# KiCad board hypjolin-rounded.kicad_pcb
title: The Hypjolin Box; company: Triglav Modular; note: Circuit by Rob Hordijk & Ian Fritz
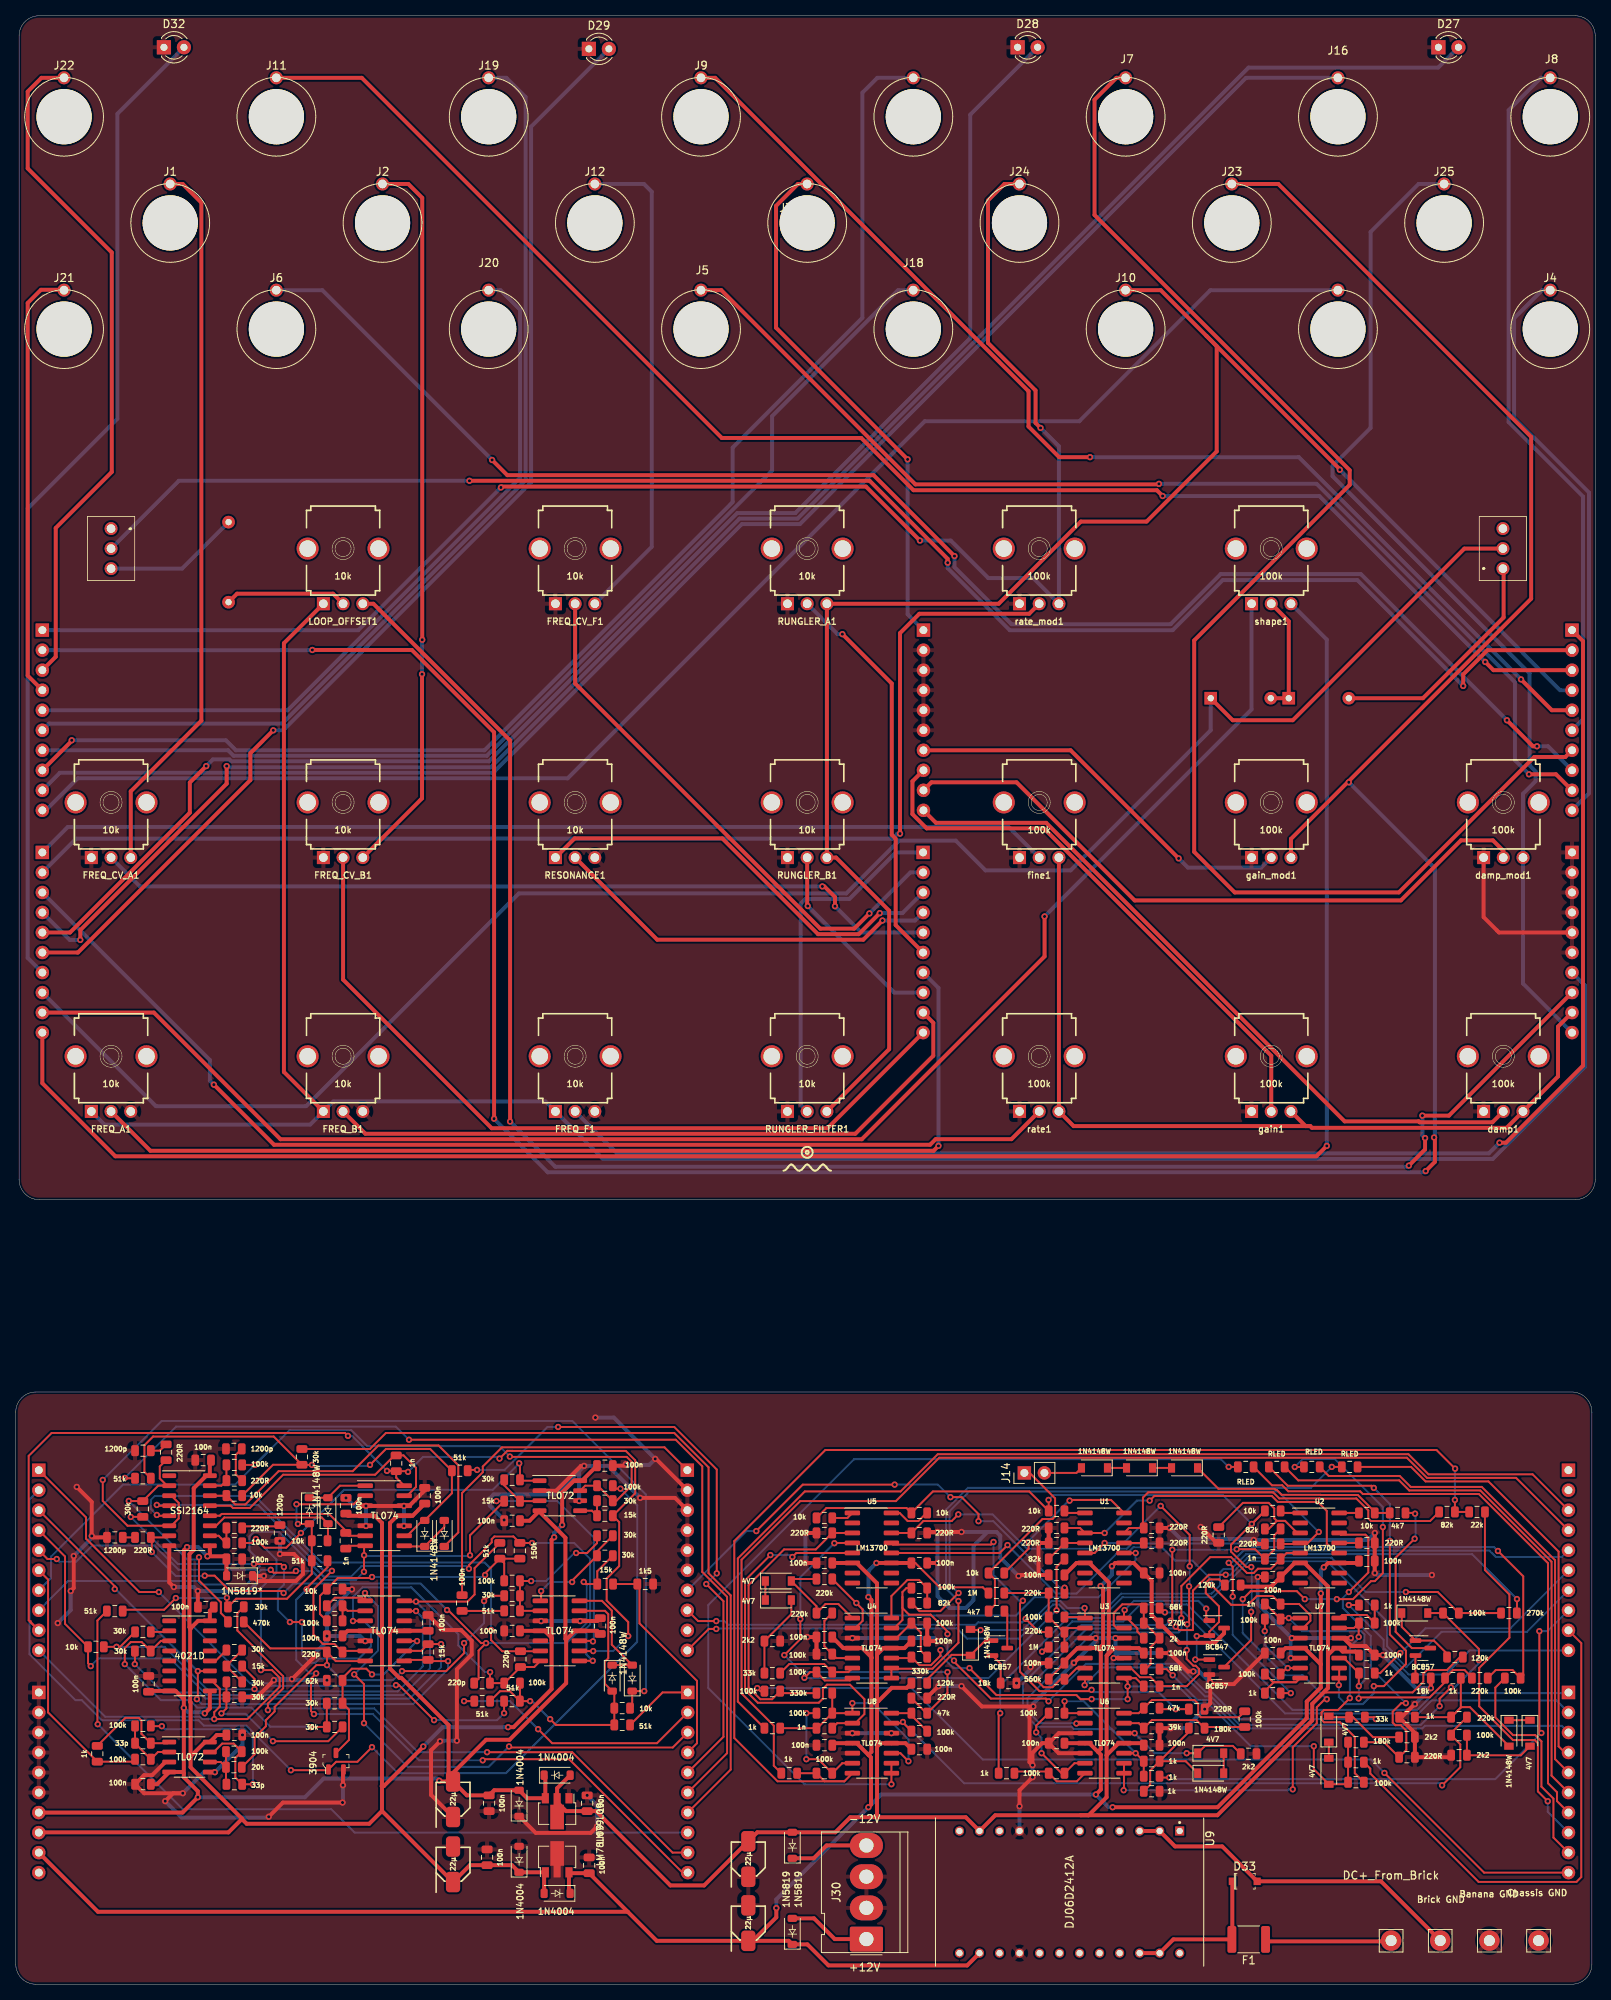
[diagram p0: board, top side]
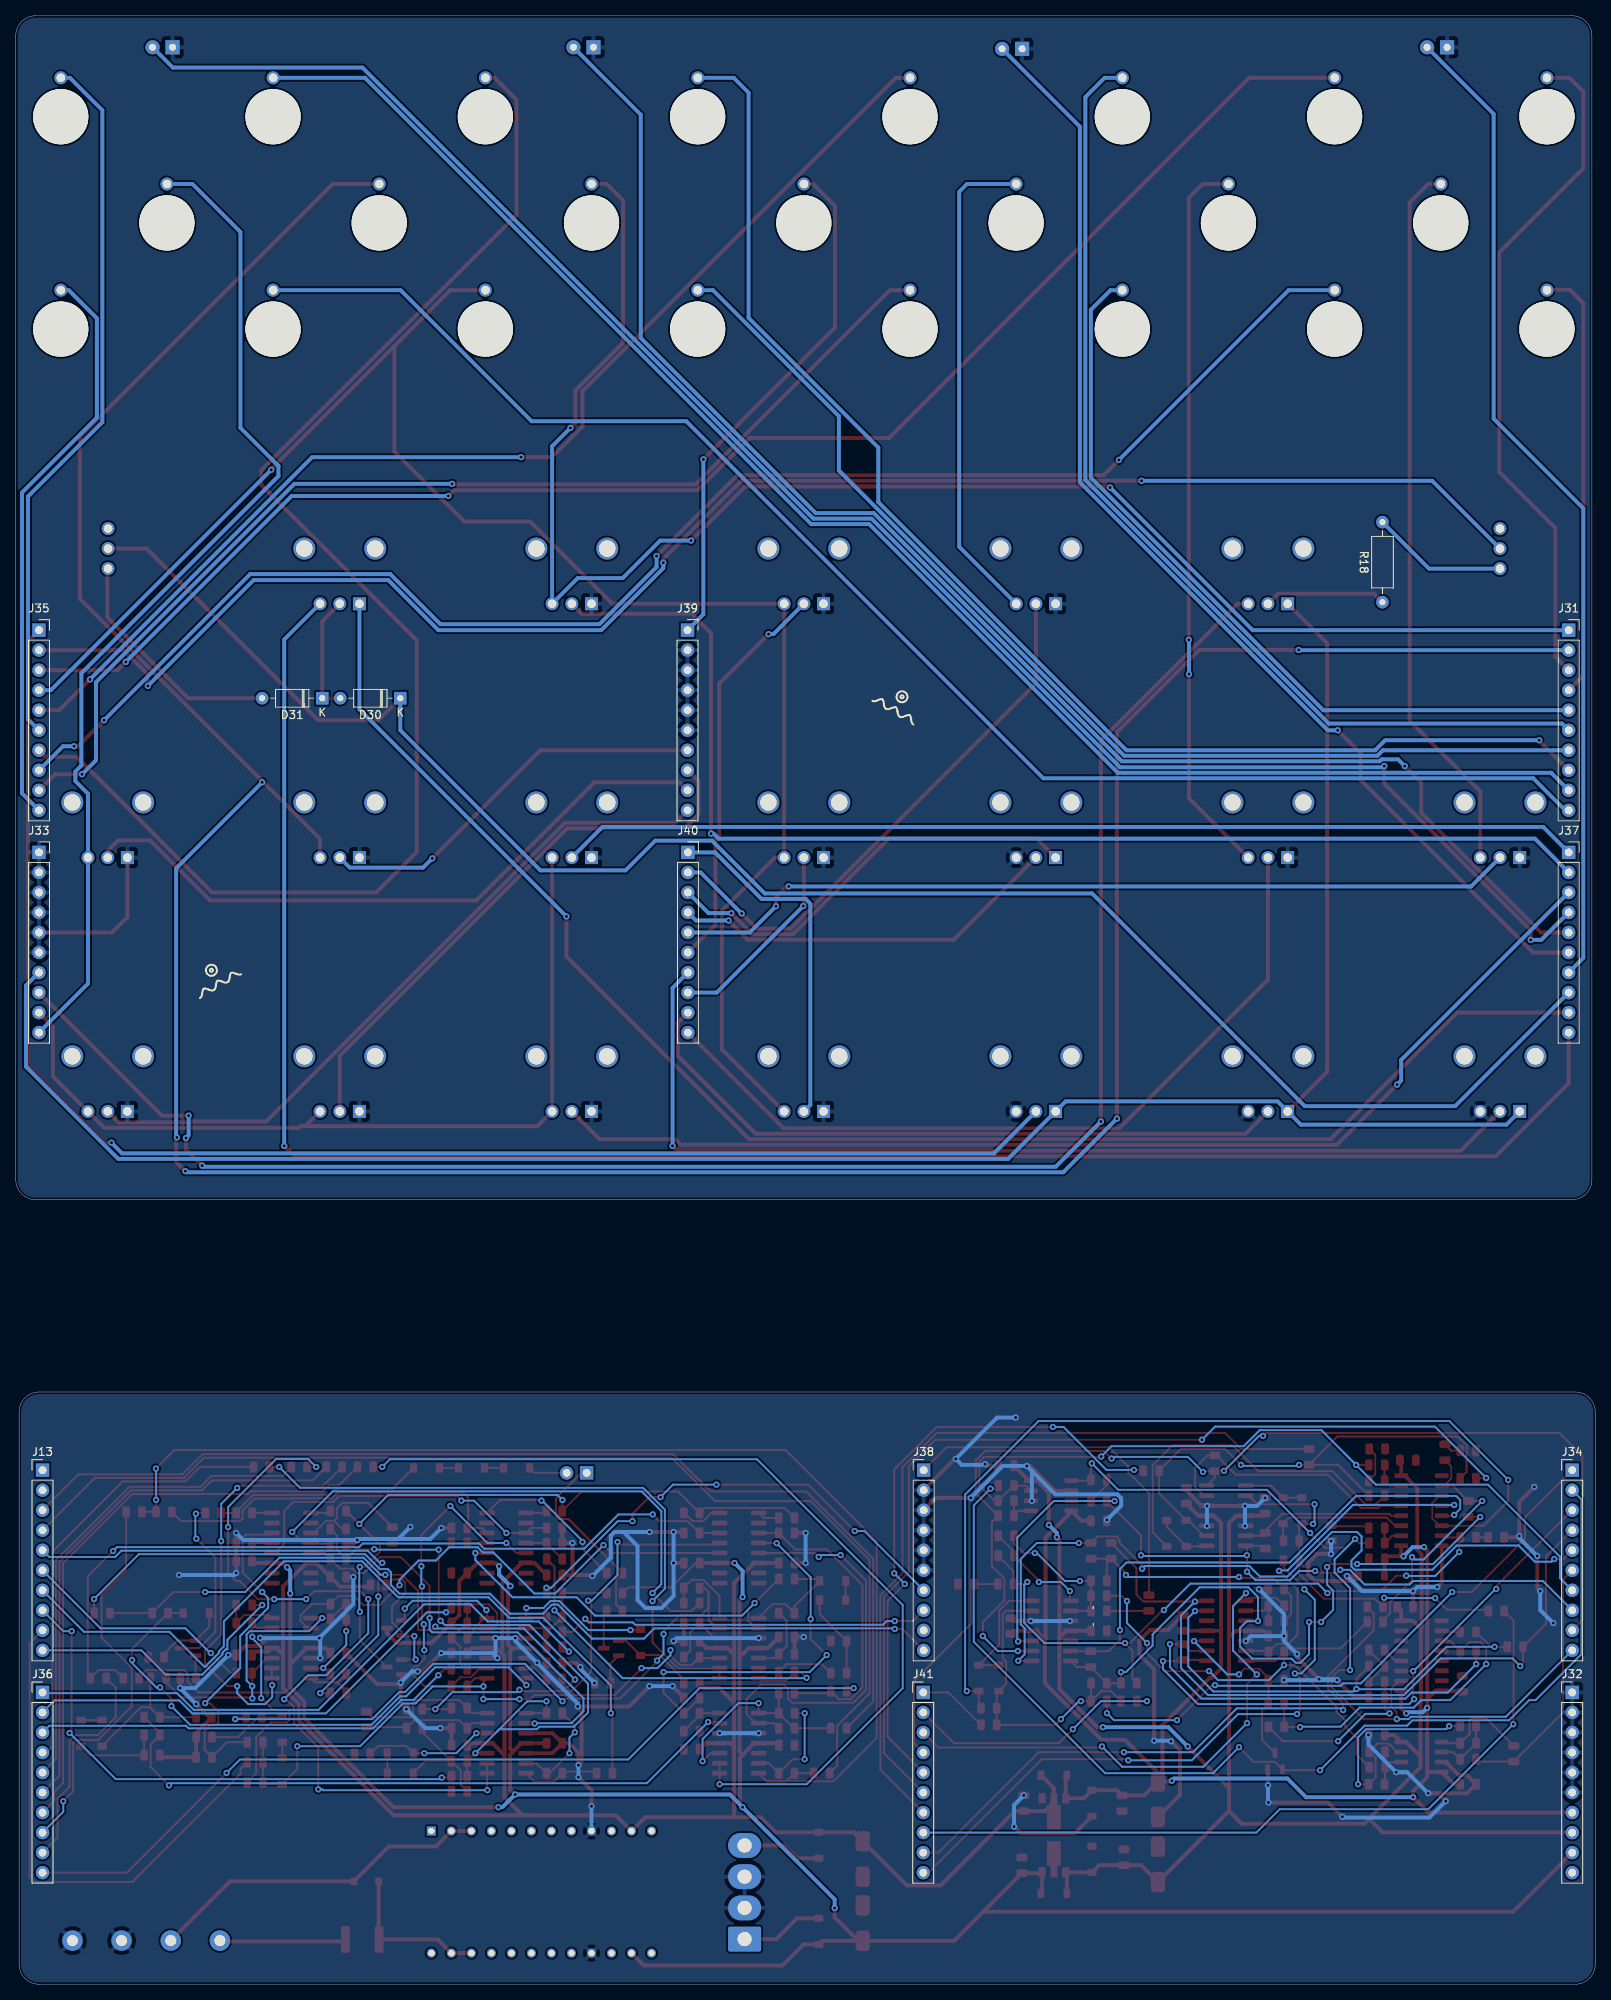
[diagram p1: board, bottom side, seen from below]

Outline 200.42 x 249.74 mm; copper layers: Top, Bottom. Coordinates in mm from the lower left corner of the outline.
Outline path: 0,72.6 0,2.54 arc(0.74,0.74) 2.54,0 197.46,0 arc(199.26,0.74) 200,2.54 200,72.6 arc(199.26,74.39) 197.46,75.14 2.54,75.14 arc(0.74,74.39) 0,72.6 ; 0.42,247.2 arc(1.17,248.99) 2.96,249.74 197.88,249.74 arc(199.68,248.99) 200.42,247.2 200.42,102.08 arc(199.68,100.28) 197.88,99.54 2.96,99.54 arc(1.17,100.28) 0.42,102.08 0.42,247.2
Stack: Top 0.035mm / dielectric 1.51mm FR4 er 4.5 / Bottom 0.035mm

## Placement (name value [footprint] x y rotation side)
C1  1200p  [C_0805_2012Metric]  27.68 67.92 180 top
C2  1200p  [C_0805_2012Metric]  33.52 57.25 270 top
C3  1n  [C_0805_2012Metric]  48.27 66.09 270 top
C4  1n  [C_0805_2012Metric]  41.88 56.26 270 top
C5  100n  [C_0805_2012Metric]  56.63 48.36 270 top
C6  1200p  [C_0805_2012Metric]  12.57 56.69 0 top
C7  220p  [C_0805_2012Metric]  59.17 38.2 0 top
C8  220p  [C_0805_2012Metric]  64.04 41.25 270 top
C9  1200p  [C_0805_2012Metric]  16.13 67.69 0 top
C10  220p  [C_0805_2012Metric]  40.47 42.14 180 top
C11  100n  [C_0805_2012Metric]  72.76 15.09 90 top
C12  100n  [C_0805_2012Metric]  72.51 22.96 270 top
C13  100n  [C_0805_2012Metric]  59.81 16.1 90 top
C14  100n  [C_0805_2012Metric]  60.06 22.96 90 top
C15  22µ  [CAPAE430X610N]  55.49 15.21 90 top
C16  22µ  [CAPAE430X610N]  55.49 23.47 90 top
C17  100n  [C_0805_2012Metric]  41.9 60.71 90 top
C18  100n  [C_0805_2012Metric]  51.9 61.98 270 top
C19  100n  [C_0805_2012Metric]  74.76 65.79 0 top
C20  100n  [C_0805_2012Metric]  62.98 58.8 0 top
C21  100n  [C_0805_2012Metric]  23.77 66.49 180 top
C22  100n  [C_0805_2012Metric]  27.73 53.95 180 top
C23  100n  [C_0805_2012Metric]  24.12 47.85 180 top
C24  100n  [C_0805_2012Metric]  16.86 38.11 270 top
C25  100n  [C_0805_2012Metric]  62.98 44.83 180 top
C26  100n  [C_0805_2012Metric]  74.16 45.44 270 top
C27  100n  [C_0805_2012Metric]  40.47 44.2 180 top
C28  100n  [C_0805_2012Metric]  52.31 45.85 270 top
C29  33p  [C_0805_2012Metric]  16.13 30.58 180 top
C30  100n  [C_0805_2012Metric]  27.73 31.62 0 top
C31  100n  [C_0805_2012Metric]  16.13 25.38 0 top
C32  33p  [C_0805_2012Metric]  27.73 25.37 0 top
C33  22µ  [CAPAE430X610N]  92.95 7.76 90 top
C34  22µ  [CAPAE430X610N]  92.95 15.89 90 top
C35  1n  [C_0805_2012Metric]  144.13 37.82 0 top
C36  1n  [C_0805_2012Metric]  159.5 53.95 0 top
C37  1n  [C_0805_2012Metric]  159.5 48.23 0 top
C38  1n  [C_0805_2012Metric]  102.61 32.49 0 top
C39  100n  [C_0805_2012Metric]  144.13 52.17 0 top
C40  100n  [C_0805_2012Metric]  132.07 51.92 0 top
C41  100n  [C_0805_2012Metric]  171.44 53.7 0 top
C42  100n  [C_0805_2012Metric]  114.65 29.82 180 top
C43  100n  [C_0805_2012Metric]  132.07 40.74 180 top
C44  100n  [C_0805_2012Metric]  114.65 43.54 180 top
C45  100n  [C_0805_2012Metric]  114.65 53.44 0 top
C46  100n  [C_0805_2012Metric]  159.5 51.66 0 top
C47  100n  [C_0805_2012Metric]  102.61 44.04 180 top
C48  100n  [C_0805_2012Metric]  144.13 42.01 180 top
C49  100n  [C_0805_2012Metric]  132.07 30.58 180 top
C50  100n  [C_0805_2012Metric]  171.44 41.76 180 top
C51  100n  [C_0805_2012Metric]  102.61 30.33 180 top
C52  100n  [C_0805_2012Metric]  102.61 53.44 0 top
C53  100n  [C_0805_2012Metric]  159.5 42.01 180 top
C54  100n  [C_0805_2012Metric]  144.13 30.33 180 top
D1  1N4148W  [D_SOD-123#2]  51.9 57.19 90 top
D2  1N4148W  [D_SOD-123#2]  37.26 60.07 270 top
D3  1N4148W  [D_SOD-123#2]  54.38 57.19 90 top
D4  1N4148W  [D_SOD-123#2]  39.61 60.07 90 top
D5  1N4148W  [D_SOD-123#2]  75.68 38.84 270 top
D6  1N4148W  [D_SOD-123#2]  78.22 38.84 90 top
D7  1N4004  [D_SOD-123#2]  68.7 26.52 0 top
D8  1N4004  [D_SOD-123#2]  68.7 11.53 180 top
D9  1N4004  [D_SOD-123#2]  63.87 15.85 90 top
D10  1N4004  [D_SOD-123#2]  63.87 22.96 90 top
D11  1N5819*  [D_SOD-123#2]  28.4 51.82 180 top
D12  1N5819  [D_SOD-123#2]  98.54 6.71 90 top
D13  1N5819  [D_SOD-123#2]  98.54 17.63 90 top
D14  1N4148W  [D_SOD-123]  121.15 43.38 90 top
D15  4V7  [D_SOD-123]  96.76 51.16 0 top
D16  1N4148W  [D_SOD-123]  177.52 47.09 0 top
D17  4V7  [D_SOD-123]  96.76 48.74 0 top
D18  1N4148W  [D_SOD-123]  136.88 65.51 180 top
D19  1N4148W  [D_SOD-123]  142.59 65.51 180 top
D20  1N4148W  [D_SOD-123]  148.31 65.51 180 top
D21  4V7  [D_SOD-123]  166.61 27.03 270 top
D22  4V7  [D_SOD-123]  166.61 32.36 90 top
D23  1N4148W  [D_SOD-123]  151.63 26.77 0 top
D24  4V7  [D_SOD-123]  151.63 29.31 0 top
D25  1N4148W  [D_SOD-123]  189.47 31.85 270 top
D26  4V7  [D_SOD-123]  192.14 31.85 270 top
D27  LED_Dual_Bidirectional_U  [LED_D3.0mm_Clear]  180.52 245.74 0 top
D28  LED_Dual_Bidirectional_Z  [LED_D3.0mm_Clear]  127.12 245.74 0 top
D29  LED_Dual_Bidirectional_Y  [LED_D3.0mm_Clear]  72.72 245.54 0 top
D30  1N4148W  [D_DO-35_SOD27_P7.62mm_Horizontal]  151.63 163.16 0 bottom
D31  1N4148W  [D_DO-35_SOD27_P7.62mm_Horizontal]  161.53 163.16 0 bottom
D32  LED_Dual_Bidirectional_X  [LED_D3.0mm_Clear]  18.8 245.74 0 top
D33  1N5819HW-7-F  [SOD-123]  155.95 13.06 0 top
damp1  100k  [MusicThingModular-9MM_SNAP-IN_POT]  188.76 117.73 0 top
damp_mod1  100k  [MusicThingModular-9MM_SNAP-IN_POT]  188.76 149.93 0 top
F1  mSMD030  [Fuse_1812_4532Metric]  156.45 5.69 180 top
fine1  100k  [MusicThingModular-9MM_SNAP-IN_POT]  129.87 149.93 0 top
FREQ_A1  10k  [MusicThingModular-9MM_SNAP-IN_POT]  12.09 117.73 0 top
FREQ_B1  10k  [MusicThingModular-9MM_SNAP-IN_POT]  41.54 117.73 0 top
FREQ_CV_A1  10k  [MusicThingModular-9MM_SNAP-IN_POT]  12.09 149.93 0 top
FREQ_CV_B1  10k  [MusicThingModular-9MM_SNAP-IN_POT]  41.54 149.93 0 top
FREQ_CV_F1  10k  [MusicThingModular-9MM_SNAP-IN_POT]  70.98 182.14 0 top
FREQ_F1  10k  [MusicThingModular-9MM_SNAP-IN_POT]  70.98 117.73 0 top
gain1  100k  [MusicThingModular-9MM_SNAP-IN_POT]  159.31 117.73 0 top
gain_mod1  100k  [MusicThingModular-9MM_SNAP-IN_POT]  159.31 149.93 0 top
IC1  4021D  [SO-16_3.9x9.9mm_P1.27mm]  22.05 41.66 0 top
IC2  TL074  [SO-14_3.9x8.65mm_P1.27mm]  46.82 59.44 0 top
IC3  SSI2164  [SO-16_3.9x9.9mm_P1.27mm]  22.05 60.07 0 top
IC4  TL072  [SO-8_3.9x4.9mm_P1.27mm]  69.04 61.98 0 top
IC5  TL074  [SO-14_3.9x8.65mm_P1.27mm]  46.82 44.83 0 top
IC6  TL074  [SO-14_3.9x8.65mm_P1.27mm]  69.04 44.83 0 top
IC7  LM78L09  [SOT-89-3]  68.7 15.85 90 top
IC8  LM79L09  [SOT-89-3]  68.7 21.95 270 top
IC9  TL072  [SO-8_3.9x4.9mm_P1.27mm]  22.05 28.83 0 top
J1  freq_cv_in_a  [Banana_Jack_1Pin]  19.6 223.46 0 top
J2  freq_cv_in_b  [Banana_Jack_1Pin]  46.54 223.46 0 top
J3  ext_in  [Banana_Jack_1Pin]  100.42 223.46 0 top
J4  p2  [Banana_Jack_1Pin]  194.72 209.99 0 top
J5  t1  [Banana_Jack_1Pin]  86.95 209.99 0 top
J6  t2  [Banana_Jack_1Pin]  33.07 209.99 0 top
J7  p1  [Banana_Jack_1Pin]  140.84 236.93 0 top
J8  out_amp  [Banana_Jack_1Pin]  194.72 236.93 0 top
J9  pwm  [Banana_Jack_1Pin]  86.95 236.93 0 top
J10  run_cv  [Banana_Jack_1Pin]  140.84 209.99 0 top
J11  xor  [Banana_Jack_1Pin]  33.07 236.93 0 top
J12  freq_cv_in_filter  [Banana_Jack_1Pin]  73.48 223.46 0 top
J13  CONN_4_M  [PinHeader_1x10_P2.54mm_Vertical]  197.03 65.22 180 bottom
J14  Limiter_Bypass  [PinHeader_1x02_P2.54mm_Vertical]  127.98 64.87 90 top
J15  out -U  [Banana_Jack_1Pin]  167.78 209.99 0 top
J16  out U  [Banana_Jack_1Pin]  167.78 236.93 0 top
J17  out Z  [Banana_Jack_1Pin]  113.9 236.93 0 top
J18  out -Z  [Banana_Jack_1Pin]  113.9 209.99 0 top
J19  out Y  [Banana_Jack_1Pin]  60.01 236.93 0 top
J20  out -Y  [Banana_Jack_1Pin]  60.01 209.99 0 top
J21  out -X  [Banana_Jack_1Pin]  6.13 209.99 0 top
J22  out X  [Banana_Jack_1Pin]  6.13 236.93 0 top
J23  gain_mod  [Banana_Jack_1Pin]  154.31 223.46 0 top
J24  rate_mod  [Banana_Jack_1Pin]  127.37 223.46 0 top
J25  damp_mod  [Banana_Jack_1Pin]  181.25 223.46 0 top
J26  Banana GND  [Pin_D1.4mm_L8.5mm_W2.8mm_FlatFork]  186.99 5.54 0 top
J27  Chassis GND  [Pin_D1.4mm_L8.5mm_W2.8mm_FlatFork]  193.23 5.54 0 top
J28  DC+_From_Brick  [Pin_D1.4mm_L8.5mm_W2.8mm_FlatFork]  174.52 5.54 0 top
J29  Brick GND  [Pin_D1.4mm_L8.5mm_W2.8mm_FlatFork]  180.76 5.54 0 top
J30  Conn_01x04_Male  [Molex_KK-396_5273-04A_1x04_P3.96mm_Vertical_copy]  107.94 5.73 90 top
J31  CONN_4_P  [PinSocket_1x10_P2.54mm_Vertical]  3.37 171.79 180 bottom
J32  CONN_5_M  [PinHeader_1x10_P2.54mm_Vertical]  2.92 37.02 180 bottom
J33  CONN_5_P  [PinSocket_1x10_P2.54mm_Vertical]  197.48 143.59 180 bottom
J34  CONN_2_M  [PinHeader_1x10_P2.54mm_Vertical]  2.92 65.22 180 bottom
J35  CONN_2_P  [PinSocket_1x10_P2.54mm_Vertical]  197.48 171.79 180 bottom
J36  CONN_6_M  [PinHeader_1x10_P2.54mm_Vertical]  197.03 37.02 180 bottom
J37  CONN_6_P  [PinSocket_1x10_P2.54mm_Vertical]  3.37 143.59 180 bottom
J38  CONN_1_M  [PinHeader_1x10_P2.54mm_Vertical]  85.22 65.22 180 bottom
J39  CONN_1_P  [PinSocket_1x10_P2.54mm_Vertical]  115.18 171.79 180 bottom
J40  CONN_3_P  [PinSocket_1x10_P2.54mm_Vertical]  115.13 143.59 180 bottom
J41  CONN_3_M  [PinHeader_1x10_P2.54mm_Vertical]  85.27 37.02 180 bottom
LOOP_OFFSET1  10k  [MusicThingModular-9MM_SNAP-IN_POT]  41.54 182.14 0 top
Q1  3904  [SOT-23-3]  40.63 28.3 90 top
Q2  BC857  [SOT-23]  124.87 42.65 0 top
Q3  BC847  [SOT-23]  152.39 45.19 0 top
Q4  BC857  [SOT-23]  178.55 42.65 0 top
Q5  BC857  [SOT-23]  152.39 40.23 0 top
R1  51k  [R_0805_2012Metric]  56.34 65.15 180 top
R2  51k  [R_0805_2012Metric]  38.56 53.72 180 top
R3  30k  [R_0805_2012Metric]  36.31 66.9 270 top
R4  51k  [R_0805_2012Metric]  16.13 64.19 0 top
R5  30k  [R_0805_2012Metric]  27.93 47.88 180 top
R6  51k  [R_0805_2012Metric]  12.56 47.35 0 top
R7  10k  [R_0805_2012Metric]  27.73 61.99 180 top
R8  10k  [R_0805_2012Metric]  38.56 56.26 0 top
R9  220R  [R_0805_2012Metric]  27.73 63.89 180 top
R10  220R  [R_0805_2012Metric]  27.73 57.89 180 top
R11  100k  [R_0805_2012Metric]  27.73 65.89 0 top
R12  100k  [R_0805_2012Metric]  27.73 55.98 0 top
R13  15k  [R_0805_2012Metric]  74.76 59.44 180 top
R14  15k  [R_0805_2012Metric]  62.98 61.29 0 top
R15  30k  [R_0805_2012Metric]  74.76 61.34 0 top
R16  30k  [R_0805_2012Metric]  62.98 63.99 0 top
R17  100k  [R_0805_2012Metric]  74.76 63.25 0 top
R18  47k*  [R_Axial_DIN0207_L6.3mm_D2.5mm_P10.16mm_Horizontal]  27 175.34 90 bottom
R19  30k  [R_0805_2012Metric]  16.12 42.27 0 top
R20  30k  [R_0805_2012Metric]  40.47 35.65 180 top
R21  62k  [R_0805_2012Metric]  40.47 38.55 0 top
R22  15k  [R_0805_2012Metric]  52.31 42.15 90 top
R23  30k  [R_0805_2012Metric]  16.13 44.7 0 top
R24  30k  [R_0805_2012Metric]  27.73 42.39 180 top
R25  30k  [R_0805_2012Metric]  40.47 32.65 180 top
R26  15k  [R_0805_2012Metric]  27.73 40.36 0 top
R27  30k  [R_0805_2012Metric]  27.73 38.35 0 top
R28  30k  [R_0805_2012Metric]  27.73 36.45 180 top
R29  10k  [R_0805_2012Metric]  10.17 42.81 0 top
R30  51k  [R_0805_2012Metric]  62.98 47.37 0 top
R31  100k  [R_0805_2012Metric]  62.98 51.18 0 top
R32  30k  [R_0805_2012Metric]  62.98 49.28 180 top
R33  30k  [R_0805_2012Metric]  74.76 56.9 0 top
R34  30k  [R_0805_2012Metric]  74.76 54.36 0 top
R35  51k  [R_0805_2012Metric]  61.42 54.99 270 top
R36  150k  [R_0805_2012Metric]  63.96 54.99 270 top
R37  220R  [R_0805_2012Metric]  16.13 56.69 0 top
R38  10k  [R_0805_2012Metric]  40.47 50.14 180 top
R39  15k  [R_0805_2012Metric]  74.79 50.77 180 top
R40  1k5  [R_0805_2012Metric]  79.87 50.77 180 top
R41  51k  [R_0805_2012Metric]  59.19 35.92 0 top
R42  51k  [R_0805_2012Metric]  76.95 32.9 180 top
R43  51k  [R_0805_2012Metric]  62.97 35.92 0 top
R44  100k  [R_0805_2012Metric]  40.47 46.1 0 top
R45  100k  [R_0805_2012Metric]  62.98 38.2 180 top
R46  10k  [R_0805_2012Metric]  76.95 35.03 0 top
R47  30k  [R_0805_2012Metric]  16.12 60.3 90 top
R48  30k  [R_0805_2012Metric]  40.47 48.01 180 top
R49  220R  [R_0805_2012Metric]  19.08 67.49 270 top
R50  470k  [R_0805_2012Metric]  27.93 45.97 0 top
R51  82k  [R_0805_2012Metric]  181.62 59.92 180 top
R52  220R  [R_0805_2012Metric]  144.13 57.89 180 top
R53  220R  [R_0805_2012Metric]  144.13 55.98 180 top
R54  220k  [R_0805_2012Metric]  132.07 49.63 0 top
R55  220k  [R_0805_2012Metric]  132.07 44.68 180 top
R57  1M  [R_0805_2012Metric]  132.07 42.77 180 top
R58  68k  [R_0805_2012Metric]  144.13 47.73 0 top
R59  270k  [R_0805_2012Metric]  189.47 47.09 0 top
R60  68k  [R_0805_2012Metric]  144.13 39.98 0 top
R61  1M  [R_0805_2012Metric]  124.43 49.63 0 top
R62  1k  [R_0805_2012Metric]  10.34 29.24 270 top
R63  100k  [R_0805_2012Metric]  16.13 32.77 180 top
R64  100k  [R_0805_2012Metric]  16.13 28.55 180 top
R65  100k  [R_0805_2012Metric]  27.68 29.51 0 top
R66  20k  [R_0805_2012Metric]  27.68 27.53 180 top
R67  220k  [R_0805_2012Metric]  102.61 51.41 0 top
R68  100k  [R_0805_2012Metric]  132.07 46.58 180 top
R69  560k  [R_0805_2012Metric]  132.07 38.71 0 top
R70  270k  [R_0805_2012Metric]  144.13 45.82 180 top
R71  120k  [R_0805_2012Metric]  114.65 38.2 180 top
R72  100k  [R_0805_2012Metric]  182.11 47.09 0 top
R73  2k  [R_0805_2012Metric]  144.13 43.92 0 top
R74  120k  [R_0805_2012Metric]  182.62 41.5 0 top
R75  10k  [R_0805_2012Metric]  124.43 52.17 180 top
R76  4k7  [R_0805_2012Metric]  124.45 47.35 0 top
R77  18k  [R_0805_2012Metric]  125.97 38.2 0 top
R78  2k2  [R_0805_2012Metric]  96 43.54 0 top
R79  120k  [R_0805_2012Metric]  154.42 50.65 0 top
R80  33k  [R_0805_2012Metric]  96 39.47 0 top
R81  4k7  [R_0805_2012Metric]  175.34 59.79 0 top
R82  18k  [R_0805_2012Metric]  178.55 38.84 0 top
R83  220k  [R_0805_2012Metric]  102.61 47.09 0 top
R84  100k  [R_0805_2012Metric]  102.61 41.88 0 top
R85  100k  [R_0805_2012Metric]  102.61 39.6 180 top
R86  82k  [R_0805_2012Metric]  132.07 53.95 180 top
R87  220R  [R_0805_2012Metric]  132.07 55.98 0 top
R88  2k2  [R_0805_2012Metric]  176.54 31.34 0 top
R89  220R  [R_0805_2012Metric]  132.07 57.89 0 top
R90  1k  [R_0805_2012Metric]  144.13 28.3 0 top
R91  1k  [R_0805_2012Metric]  144.13 24.49 0 top
R92  330k  [R_0805_2012Metric]  114.65 41.5 180 top
R93  33k  [R_0805_2012Metric]  170.19 33.88 180 top
R94  100k  [R_0805_2012Metric]  114.65 45.82 0 top
R95  10k  [R_0805_2012Metric]  132.07 60.05 0 top
R96  180k  [R_0805_2012Metric]  149.85 32.49 0 top
R97  10k  [R_0805_2012Metric]  171.44 59.79 0 top
R98  1k  [R_0805_2012Metric]  182.36 38.84 0 top
R99  1k  [R_0805_2012Metric]  176.54 33.88 180 top
R100  100k  [R_0805_2012Metric]  114.65 50.27 180 top
R101  2k2  [R_0805_2012Metric]  156.44 29.24 0 top
R102  220R  [R_0805_2012Metric]  171.44 55.98 180 top
R103  82k  [R_0805_2012Metric]  114.65 48.36 0 top
R104  180k  [R_0805_2012Metric]  170.06 30.71 180 top
R105  220R  [R_0805_2012Metric]  176.54 28.8 180 top
R106  39k  [R_0805_2012Metric]  144.13 32.49 0 top
R107  100k  [R_0805_2012Metric]  170.06 25.63 180 top
R108  220R  [R_0805_2012Metric]  159.5 55.85 180 top
R109  1k  [R_0805_2012Metric]  170.06 28.17 180 top
R110  2k2  [R_0805_2012Metric]  183.14 29.06 0 top
R111  220R  [R_0805_2012Metric]  152.64 57 270 top
R112  82k  [R_0805_2012Metric]  159.5 57.76 0 top
R113  100k  [R_0805_2012Metric]  155.95 33.63 90 top
R114  100k  [R_0805_2012Metric]  183.14 31.6 180 top
R115  220k  [R_0805_2012Metric]  183.14 33.88 0 top
R116  100k  [R_0805_2012Metric]  171.44 45.82 180 top
R117  RLED  [R_0805_2012Metric]  169.26 65.63 180 top
R118  10k  [R_0805_2012Metric]  159.5 60.05 0 top
R119  47k  [R_0805_2012Metric]  144.13 35.03 0 top
R120  1k  [R_0805_2012Metric]  171.44 48.11 0 top
R121  220R  [R_0805_2012Metric]  149.85 34.9 180 top
R122  100k  [R_0805_2012Metric]  114.65 32.11 0 top
R123  220R  [R_0805_2012Metric]  114.65 57.25 180 top
R124  220k  [R_0805_2012Metric]  185.77 38.84 0 top
R125  47k  [R_0805_2012Metric]  114.65 34.39 0 top
R126  220R  [R_0805_2012Metric]  114.65 36.3 180 top
R127  100k  [R_0805_2012Metric]  96 37.19 0 top
R128  100k  [R_0805_2012Metric]  189.95 38.84 0 top
R129  1k  [R_0805_2012Metric]  144.13 26.39 0 top
R130  100k  [R_0805_2012Metric]  132.07 34.39 0 top
R131  10k  [R_0805_2012Metric]  114.65 59.79 0 top
R133  RLED  [R_0805_2012Metric]  164.45 65.63 180 top
R134  100k  [R_0805_2012Metric]  132.07 26.77 0 top
R135  220R  [R_0805_2012Metric]  102.61 57.25 0 top
R136  1k  [R_0805_2012Metric]  125.72 26.77 0 top
R137  1k  [R_0805_2012Metric]  171.44 39.47 0 top
R138  100k  [R_0805_2012Metric]  159.5 46.33 0 top
R139  10k  [R_0805_2012Metric]  102.61 59.16 0 top
R141  100k  [R_0805_2012Metric]  159.5 39.34 0 top
R142  RLED  [R_0805_2012Metric]  160.01 65.63 180 top
R143  330k  [R_0805_2012Metric]  102.61 36.93 180 top
R144  1k  [R_0805_2012Metric]  159.5 36.93 180 top
R145  1k  [R_0805_2012Metric]  96 32.49 180 top
R146  100k  [R_0805_2012Metric]  102.61 34.39 0 top
R147  RLED  [R_0805_2012Metric]  156.07 65.63 180 top
R148  22k  [R_0805_2012Metric]  185.43 59.92 180 top
R149  100k  [R_0805_2012Metric]  102.61 26.77 0 top
R150  1k  [R_0805_2012Metric]  98.14 26.77 180 top
rate1  100k  [MusicThingModular-9MM_SNAP-IN_POT]  129.87 117.73 0 top
rate_mod1  100k  [MusicThingModular-9MM_SNAP-IN_POT]  129.87 182.14 0 top
RESONANCE1  10k  [MusicThingModular-9MM_SNAP-IN_POT]  70.98 149.93 0 top
RUNGLER_A1  10k  [MusicThingModular-9MM_SNAP-IN_POT]  100.42 182.14 0 top
RUNGLER_B1  10k  [MusicThingModular-9MM_SNAP-IN_POT]  100.42 149.93 0 top
RUNGLER_FILTER1  10k  [MusicThingModular-9MM_SNAP-IN_POT]  100.42 117.73 0 top
shape1  100k  [MusicThingModular-9MM_SNAP-IN_POT]  159.31 182.14 0 top
SW1  SUBMINI_SPDT  [1082MS1T1B1M2QEEVX]  12.09 184.68 180 top
SW2  SUBMINI_SPDT  [1082MS1T1B1M2QEEVX]  188.71 179.6 0 top
U1  LM13700  [SOIC-16_3.9x9.9mm_P1.27mm]  138.15 55.35 0 top
U2  LM13700  [SOIC-16_3.9x9.9mm_P1.27mm]  165.45 55.35 0 top
U3  TL074  [SOIC-14_3.9x8.7mm_P1.27mm]  138.15 42.65 0 top
U4  TL074  [SOIC-14_3.9x8.7mm_P1.27mm]  108.64 42.65 0 top
U5  LM13700  [SOIC-16_3.9x9.9mm_P1.27mm]  108.64 55.35 0 top
U6  TL074  [SOIC-14_3.9x8.7mm_P1.27mm]  138.15 30.58 0 top
U7  TL074  [SOIC-14_3.9x8.7mm_P1.27mm]  165.45 42.65 0 top
U8  TL074  [SOIC-14_3.9x8.7mm_P1.27mm]  108.64 30.58 0 top
U9  DJ06D2412A  [DIP1549W45P254L3404H940Q24]  133.72 11.69 270 top
